# Altium PCB Intermediate_LCL_Revised_new.PcbDoc (part 2 of 3) (continued)
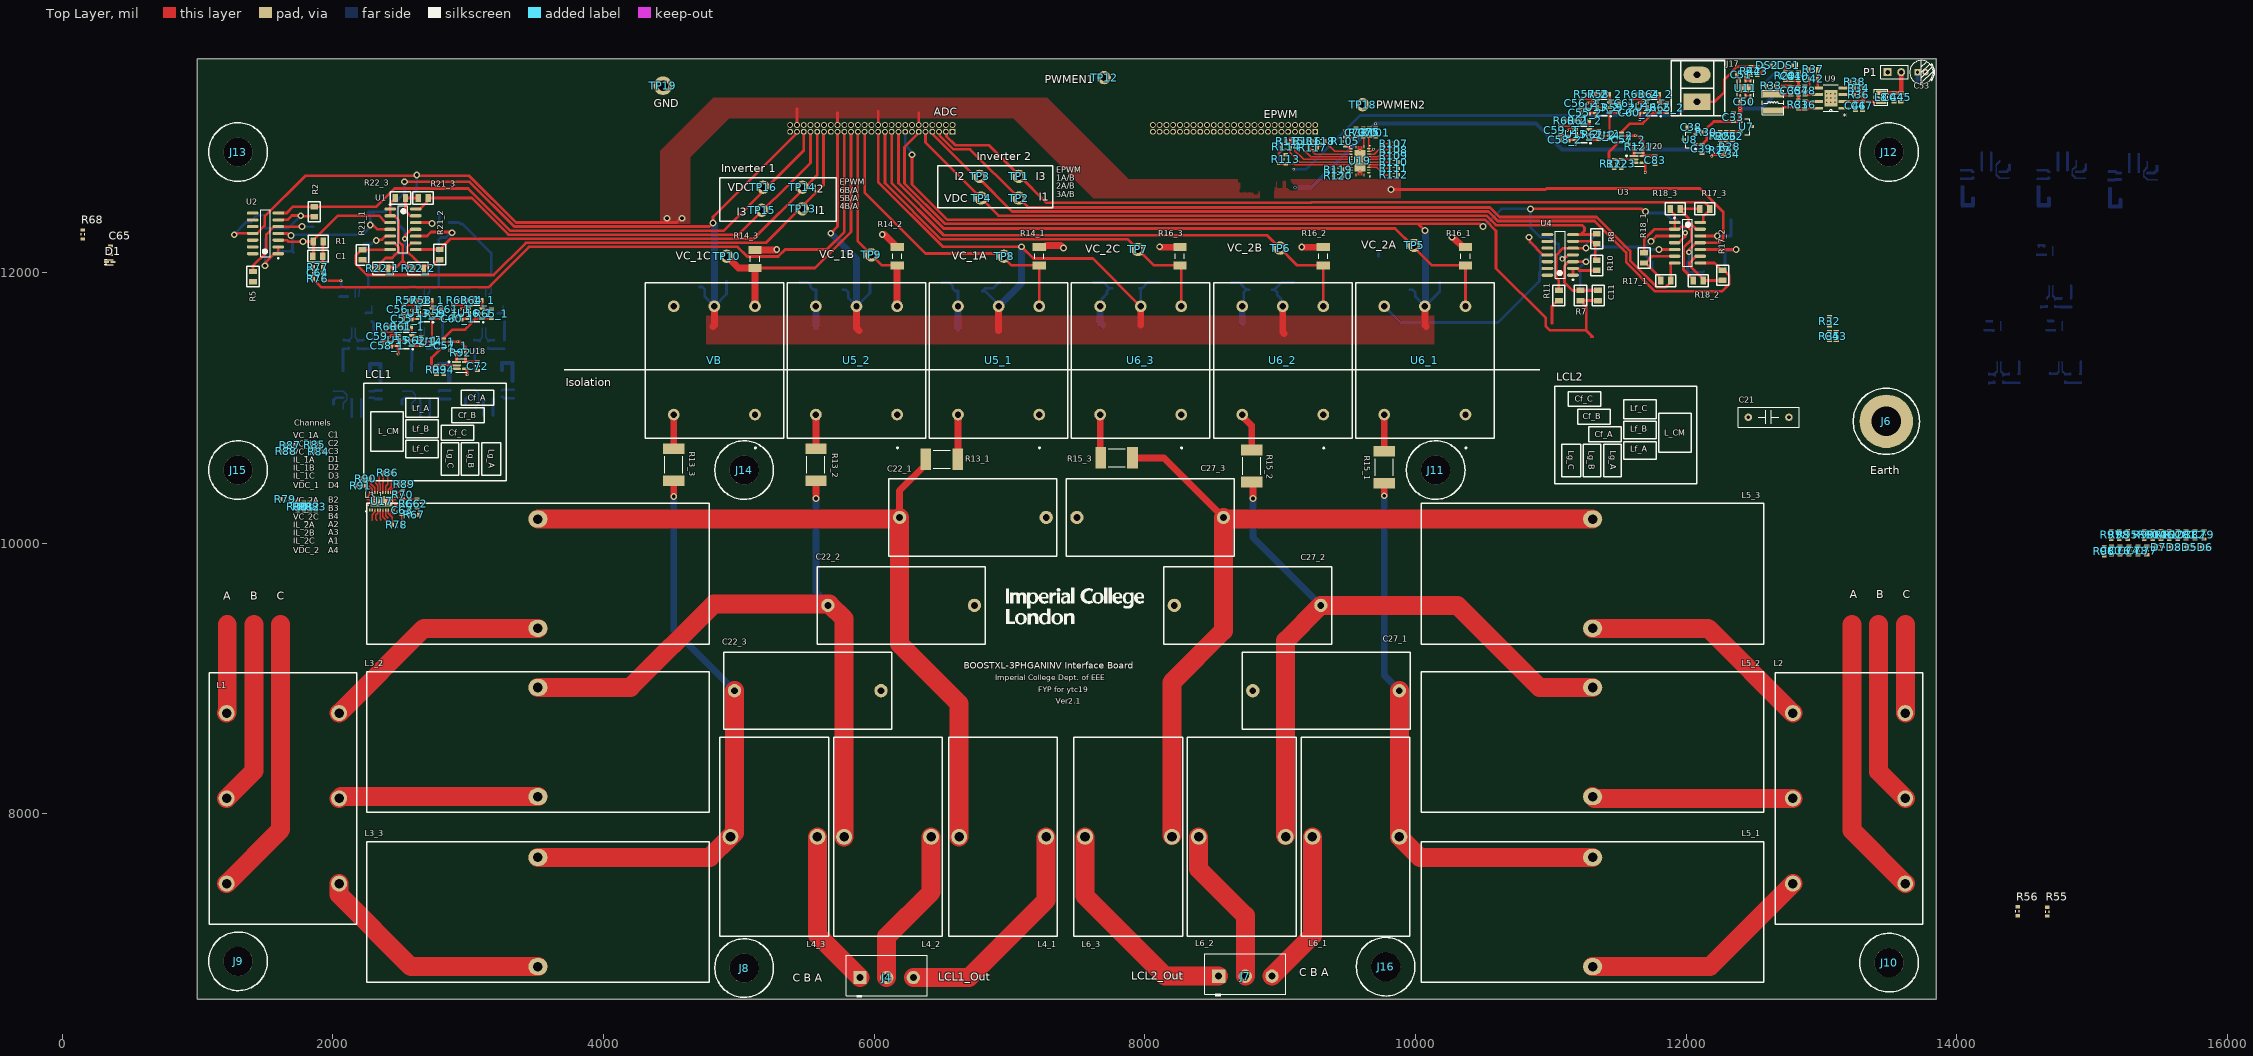
[diagram p0: Top Layer view]
## Nets (pads, with @x,y where several pads share a name; then routed paths per layer and width w, separated by ;. In a path a pad name is that pad's centre, name@x,y a point inside that pad or via, vN(x,y) a via of type N, cw(c..) or ccw(c..) an arc to the next point about the centre after c; other vN are vias at no path point) (continued)
  Bottom Layer w50: v1(4810,12365) 4820,12355 VB.3@4820,11750 ; v1(5680,12290) 5870,12100 U5_2.3@5870,11750 ; U5_1.3@6920,11750 7090,11920 v1(7090,12190) ; v1(10070,12310) 10074.21,12305.79 U6_1.3@10074.21,11754.21
-15V: C4.2 C5.2 C9.2 C10.2 C14.2 C15.2 C19.2 C20.2 C25_1.2 C25_2.2 C25_3.2 C26_1.2 C26_2.2 C26_3.2 C30_1.2 C30_2.2 C30_3.2 C31_1.2 C31_2.2 C31_3.2 J2.12 J2.24 J2.36 J2.48 U1.11 U2.11 U3.11 U4.11 U5_1.4 U5_2.4 U6_1.4 U6_2.4 U6_3.4 VB.4 | length 12302.5
  Top Layer w20: v1(1272.6,12278.86) 1280.72,12278.86 1290.72,12288.86 U2.11@1408.11,12288.86 1439.61,12288.86 1496.36,12345.61 1496.36,12414.61 1796.74,12715 3007.43,12715 3353.21,12369.21 4541.09,12369.21 4571.88,12400 v1(4580,12400) ; v3(2531.93,12250) 2537.67,12255.74 2537.67,12275.43 2579.92,12317.68 2611.42,12317.68 U1.11@2612.6,12318.86 ; J2.48@5430,13090 5430,13210 ; J2.36@5730,13090 5730,13180 ; J2.24@6030,13090 6030,13190 ; J2.12@6330,13090 6330,13180 ; v1(9820,12612.98) 10961.6,12612.98 10968.62,12620 12102.1,12620 12275,12447.1 12275,12251.36 12243.64,12220 U3.11@12104.49,12220 12103.31,12218.82 12071.81,12218.82 12025.01,12172.02 12025.01,12153.83 v3(12021.18,12150) ; v1(10840,12260) 10845.74,12254.26 10845.74,12228.28 10944.02,12130 U4.11@10975.51,12130 11006.03,12130 11007.7,12131.67 U4.11@11007.7,12135.71
  Top Layer w50: U6_2.4@8720,11750 U6_2.4@8720.43,11749.57
  Bottom Layer w20: v1(1272.6,12278.86) 1272.6,12285.35 1360.32,12373.07 C10.2@1380,12373.07 1399.68,12373.07 1419.21,12392.6 1419.21,12400.75 1441.06,12422.6 C9.2@1500,12422.6 ; C5.2@2452.6,12135.79 2455.08,12138.27 2560.12,12138.27 2562.6,12140.75 2553.74,12140.75 2543.66,12150.83 2543.66,12168.05 2543.66,12185 2533.66,12195 2533.66,12248.27 v3(2531.93,12250) 2531.93,12308.33 2475.52,12364.74 2475.52,12466.07 2620,12610.55 v1(2620,12720) ; C25_2.2@5450,11928.11 5508.94,11928.11 5530.79,11906.26 5530.79,11892.6 5550.31,11873.07 C26_2.2@5570,11873.07 U5_2.4@5570,11750 ; C25_1.2@6500,11928.11 6554.96,11928.11 6580.79,11902.28 6580.79,11882.6 6600.31,11863.07 C26_1.2@6620,11863.07 U5_1.4@6620,11750 ; C30_3.2@7620,11928.11 7695.28,11928.11 C31_3.2@7740.31,11883.07 ; U6_3.4@7670,11750 7682.75,11762.75 7682.75,11805.82 7720.79,11843.86 7720.79,11863.54 C31_3.2@7740.31,11883.07 ; C31_3.2@7760,11883.07 C31_3.2@7740.31,11883.07 ; C30_2.2@8640,11926.22 8698.94,11926.22 8730.79,11894.37 8730.79,11892.6 C31_2.2@8750.32,11873.07 ; U6_2.4@8720,11750 8730.79,11760.79 8730.79,11853.54 C31_2.2@8750.32,11873.07 ; C31_2.2@8770,11873.07 C31_2.2@8750.32,11873.07 ; 9726.93,12120.32 9726.93,12140 ; U6_1.4@9770,11750 9890,11630 10610,11630 10917.4,11937.4 C19.2@10917.4,12000 10922.17,12004.76 10922.17,12115.24 C20.2@10926.93,12120 10926.93,12139.68 10845.74,12220.87 10845.74,12254.26 v1(10840,12260) ; v3@12015.59,12155.59 12022.58,12148.6 12022.58,12090 12010,12077.42 C14.2@12010,11997.4 12014.76,12002.17 12125.24,12002.17 C15.2@12130,12006.93 ; v3(12021.18,12150) v3@12021.18,12155.41
  Bottom Layer w50: 5570,11600 U5_2.4@5570,11750 ; 6620,11590 U5_1.4@6620,11750 ; U6_3.4@7670,11750 7670,11630 7690,11610 ; 8720,11630 U6_2.4@8720,11750
  other v1: 4470,12400
C1_Neut: C22_1.1 C22_2.1 C22_3.1 U5_1.1 U5_2.1 VB.1
C2_Neut: C27_1.1 C27_2.1 C27_3.1 U6_1.1 U6_2.1 U6_3.1
CompRef: C34.1 R27.1 R28.2 U13_1.4 U13_2.4 U15_1.4 U15_2.4 U16_1.4 U16_2.4 | length 525.3
  Top Layer w20: v2(2416.76,11521.75) 2429,11533.99 2479.23,11533.99 U15_1.4@2480.14,11534.89 ; v2(2581.75,11721.75) 2593.08,11733.08 2628.33,11733.08 U13_1.4@2630.14,11734.89 ; v2(2942.51,11727.49) 2949,11733.99 2999.23,11733.99 U16_1.4@3000.14,11734.89 ; v2(11124,13049.71) 11130.49,13056.21 11180.72,13056.21 U15_2.4@11181.63,13057.11 ; v2(11272.19,13250.61) 11277.79,13256.21 11330.72,13256.21 U13_2.4@11331.63,13257.11 ; v2(11644,13249.71) 11650.49,13256.21 11700.72,13256.21 U16_2.4@11701.63,13257.11 ; v2(12190,12860) 12201.25,12871.25 R27.1@12250.7,12871.25 12251.01,12871.55 12287.78,12871.55 C34.1@12288.09,12871.86 R28.2@12288.09,12927.29
Earth: C21.2 J6.1
EPWM1A: J3.01 R118.2 U19.3 | length 248.8
  Top Layer w10: 9318.27,12981.73 9326.19,12981.73 9333,12974.92 R118.2@9333,12970 9333,12965.08 9403.98,12894.09 U19.3@9525.04,12894.09
EPWM1B: J3.03 R117.2 U19.4 | length 346.7
  Top Layer w10: R117.2@9208.23,12931.08 9206.45,12929.3 9206.45,12924.38 9213.26,12917.57 9218.18,12917.57 9261.34,12874.41 U19.4@9525.04,12874.41
EPWM2A: J3.05 R116.1 U19.5 | length 379.9
  Top Layer w10: 9168.97,12911.03 9225.86,12854.14 9371.75,12854.14 9372.33,12854.72 U19.5@9525.04,12854.72
EPWM2B: J3.07 R115.2 U19.6 | length 512.9
  Top Layer w10: R115.2@9109.57,12969.83 R115.2@9109.15,12969.4 9109.15,12900.85 9174.96,12835.04 U19.6@9525.04,12835.04 ; J3.07@9109.57,13039.57 J3.07@9110,13040
EPWM3A: J3.09 R114.2 U19.7 | length 585.6
  Top Layer w10: R114.2@9076.93,12927.35 9076.93,12883.07 9144.65,12815.35 U19.7@9525.04,12815.35
  Top Layer w20: R114.2@9076.96,12928.97 9076.96,12994.14
EPWM3B: J3.11 R113.2 U19.8 | length 734.2
  Top Layer w10: R113.2@9037.83,12803.76 9105.54,12803.76 9113.62,12795.67 U19.8@9525.04,12795.67
  Top Layer w20: v2(8988.82,12803.3) 8989.27,12803.76 R113.2@9037.83,12803.76
  Bottom Layer w20: v2(8988.82,12803.3) 8991.51,12805.99 8991.51,12970.48 v2(9004.38,12983.35) ; J3.11@9004.38,13034.38 J3.11@9010,13040
EPWM4A: J3.13 R89.2 U17.3 | length 109.1
  Top Layer w10: U17.3@2428.9,10374.45 2429.17,10374.72 2429.17,10389.17 2452.94,10412.94 2471.68,10412.94 2482.88,10424.14 2487.8,10424.14 2494.61,10430.95 R89.2@2494.61,10435.87 R89.2@2494.61,10440.79 ; J3.13@8958.82,13038.82 J3.13@8960,13040
EPWM4B: J3.15 R88.2 U17.4 | length 90.5
  Top Layer w10: U17.4@2409.21,10374.45 2409.21,10394.72 2431.9,10417.4 2431.9,10444.82 2432.08,10445 ; J3.15@8908.87,13038.87 J3.15@8910,13040
  Bottom Layer w10: J3.15@8910,13031.09 J3.15@8910,13040
EPWM5A: J3.17 R87.1 U17.5 | length 133
  Top Layer w10: U17.5@2389.53,10374.45 2389.53,10419.53 2404.9,10434.9 2404.9,10495
  Top Layer w20: J3.17@8860,13040 J3.17@8862.91,13037.09
  Bottom Layer w10: J3.17@8860,13040 J3.17@8861.41,13038.59
EPWM5B: J3.19 R86.2 U17.6 | length 155.6
  Top Layer w10: U17.6@2369.84,10374.45 2370.12,10374.72 2370.12,10445.09 2371.93,10446.9 2373.84,10448.81 R86.2@2373.84,10519.77 ; R86.2@2373.92,10519.77 R86.2@2380,10525.85
EPWM6A: J3.21 R85.2 U17.7 | length 133
  Top Layer w10: 2342.23,10495 2342.23,10444.56 2341.86,10444.19 2350.16,10435.89 U17.7@2350.16,10374.45
  Top Layer w20: J3.21@8760,13040 J3.21@8761.91,13038.09
  Bottom Layer w20: J3.21@8755.62,13035.62 J3.21@8760,13040
EPWM6B: J3.23 R84.2 U17.8 | length 84.4
  Top Layer w10: 2311.79,10445 2313.68,10445 2330.47,10428.21 U17.8@2330.47,10374.45
  Bottom Layer w10: J3.23@8710,13040 J3.23@8713.51,13036.49
GND: C2.1 C3.1 C4.1 C5.1 C6.1 C7.1 C8.1 C9.1 C10.1 C12.1 C13.1 C14.1 C15.1 C16.1 C17.1 C18.1 C19.1 C20.1 C21.1 C23_1.1 C23_2.1 C23_3.1 C24_1.1 C24_2.1 C24_3.1 C25_1.1 C25_2.1 C25_3.1 C26_1.1 C26_2.1 C26_3.1 C28_1.1 C28_2.1 C28_3.1 C29_1.1 C29_2.1 C29_3.1 C30_1.1 C30_2.1 C30_3.1 C31_1.1 C31_2.1 C31_3.1 C32.2 C33.2 C34.2 C38.2 C39.2 C40.1 C41.1 C43.2 C44.2 C45.2 C46.2 C47.1 C48.1 C50.1 C51.1 C55_1.2 C55_2.2 C56_1.2 C56_2.2 C57_1.2 C57_2.2 C58_1.2 C58_2.2 C59_1.2 C59_2.2 C60_1.2 C60_2.2 C61_1.2 C61_2.2 C62.2 C63.2 C64.2 C65.2 C66.2 C67.2 C68.2 C69.2 C70.2 C71.2 C72.2 C73.2 C74.2 C75.2 C76.2 C77.2 C78.2 C79.2 C80.2 C81.2 C82.2 C83.2 C88_1.1 C88_2.1 C90_1.2 C90_2.2 C91_1.2 C91_2.2 C96_1.1 C96_2.1 C98_1.2 C98_2.2 C99_1.2 C99_2.2 C104_1.1 C104_2.1 C106_1.2 C106_2.2 C107_1.2 C107_2.2 C108_1.2 C108_2.2 C110_1.2 C110_2.2 C111_1.1 C111_2.1 C112_1.2 C112_2.2 C114_1.2 C114_2.2 C115_1.1 C115_2.1 C116_1.2 C116_2.2 C118_1.2 C118_2.2 C119_1.1 C119_2.1 DS1.2 DS2.2 J2.01 J2.02 J2.04 J2.06 J2.08 J2.10 J2.13 J2.14 J2.16 J2.18 J2.20 J2.22 J2.25 J2.26 J2.28 J2.30 J2.32 J2.34 J2.37 J2.38 J2.40 J2.42 J2.44 J2.46 J2.49 J2.50 J3.02 J3.04 J3.06 J3.08 J3.10 J3.12 J3.14 J3.16 J3.18 J3.20 J3.22 J3.24 J3.26 J3.28 J3.30 J3.32 J3.34 J3.36 J3.38 J3.40 R3.1 R6.2 R9.1 R12.2 R14_1.1 R14_2.1 R14_3.1 R16_1.1 R16_2.1 R16_3.1 R20_1.1 R20_2.1 R20_3.1 R24_1.1 R24_2.1 R24_3.1 R28.1 R35.1 R37.1 R38.1 R55.1 R56.1 R78.2 R79.2 R80.2 R81.2 R82.2 R83.2 R84.1 R85.1 R86.1 R87.2 R88.1 R89.1 R90.2 R91.2 R94.1 R107.2 R108.2 R109.2 R110.2 R111.2 R112.2 R113.1 R114.1 R115.1 R116.2 R117.1 R118.1 R119.2 R120.2 R123.1 R137_1.1 R137_2.1 R143_1.1 R143_2.1 R149_1.1 R149_2.1 TP19.1 U7.3 U8.3 U9.1 U9.9 U11.2 U11.3 U11.6 U13_1.2 U13_2.2 U14_1.2 U14_2.2 U15_1.2 U15_2.2 U16_1.2 U16_2.2 U17.11 U17.12 U17.13 U17.25 U18.3 U19.11 U19.12 U19.13 U19.25 U20.3 U21_1.7 U21_2.7 U22_1.7 U22_2.7 U23_1.7 U23_2.7 U24_1.1 U24_1.4 U24_1.6 U24_2.1 U24_2.4 U24_2.6 U25_1.1 U25_1.4 U25_1.6 U25_2.1 U25_2.4 U25_2.6 U26_1.1 U26_1.4 U26_1.6 U26_2.1 U26_2.4 U26_2.6 | length 4742.9
  Top Layer w10: R91.2@2173.97,10425.73 2180.78,10432.54 2180.78,10439.68 2211.26,10470.16 R90.2@2211.26,10475.08 ; U17.12@2255.67,10339.02 2262.2,10339.02 2262.48,10339.29 2262.48,10345.83 2271.1,10354.45 U17.11@2271.1,10374.45 ; C59_1.2@2372.51,11496 2373.25,11496.75 2581.76,11496.75 U15_1.2@2582.51,11497.49 2666.94,11497.49 2676.72,11487.72 U14_1.2@2733.81,11487.72 ; R78.2@2504.7,10134.8 2504.7,10139.73 2508.96,10143.99 2508.96,10174.01 2510.88,10175.92 2510.88,10210.68 C63.2@2511.81,10211.62 ; C55_1.2@2521.01,11657.49 2521.01,11694.5 C56_1.2@2522.51,11696 2523.25,11696.75 2731.76,11696.75 U13_1.2@2732.51,11697.49 ; C61_1.2@2892.51,11696 2893.25,11696.75 3101.76,11696.75 U16_1.2@3102.51,11697.49 ; R113.1@9035.08,12873 R113.1@9040,12873 ; R113.1@9042.71,12870.18 9035.08,12870.18 8996.3,12870.18 8990.61,12875.87 8990.61,12880.79 8997.42,12887.61 9002.34,12887.61 9010.93,12896.19 R114.1@9010.93,12927.35 9010.93,12932.27 9017.74,12939.08 9043.15,12964.48 R115.1@9043.15,12969.4 ; R116.2@9235.78,12970.05 9266.95,12970.05 R118.1@9267,12970 9267,12965.08 9276.06,12956.02 R117.1@9276.06,12923.47 9276.06,12926.92 9282.87,12933.73 9311.78,12933.73 v2(9313.05,12935) ; C59_2.2@11074,13018.21 11074.74,13018.96 11283.25,13018.96 U15_2.2@11284,13019.71 11368.43,13019.71 11378.21,13009.93 U14_2.2@11435.3,13009.93 ; C55_2.2@11222.5,13179.71 11222.5,13216.72 C56_2.2@11224,13218.21 11224.74,13218.96 11433.25,13218.96 U13_2.2@11434,13219.71 ; C61_2.2@11594,13218.21 11594.74,13218.96 11803.25,13218.96 U16_2.2@11804,13219.71 ; C51.1@12375,13460 12381.81,13453.19 12381.81,13440.6 12400.57,13421.83 U11.6@12400.57,13416.91 12401.64,13415.85 12401.64,13388.29 12428.13,13361.79 12437.98,13361.79 U11.2@12437.98,13306.67 U11.3@12475.38,13306.67 12475.38,13279.28 12462.99,13266.89 C50.1@12462.99,13260
  Top Layer w50: R14_3.1@5120,12166.93 5276.93,12166.93 v1(5280,12170) ; v1(6060,12280) 6076.93,12280 R14_2.1@6170,12186.93 ; R14_1.1@7220,12186.93 7224.53,12191.46 7264.75,12191.46 7273.5,12200.21 7379.79,12200.21 v1(7400,12180) ; v1(8110,12190) 8113.07,12186.93 R16_3.1@8260,12186.93 ; v1(9159.39,12187.74) 9160.2,12186.93 R16_2.1@9320,12186.93 ; v1(10270,12260) 10277.24,12260 10350.32,12186.93 R16_1.1@10370,12186.93
  Bottom Layer w10: C104_1.1@2005.15,11124.74 2006.26,11123.63 2073.66,11123.63 U23_1.7@2074.76,11122.53 2078.7,11122.53 2103.54,11097.69 2103.54,11060.37 2076.69,11033.52 C107_1.2@2076.69,10990 ; C88_1.1@2513.16,11123.63 2580.56,11123.63 U21_1.7@2581.67,11122.53 2585.6,11122.53 2610.45,11097.69 2610.45,11060.37 2583.6,11033.52 C91_1.2@2583.6,10990 ; 2952.06,11114.74 2953.16,11113.63 ; C96_1.1@2980,11131.42 2981.1,11130.32 3052.44,11130.32 3078.39,11104.37 3078.39,11030.42 3051.54,11003.57 C99_1.2@3051.54,10996.68 ; C99_2.2@14318.46,12830.24 14318.46,12823.35 14291.61,12796.5 14291.61,12722.55 14317.56,12696.61 14388.9,12696.61 C96_2.1@14390,12695.5 ; C91_2.2@14881.56,12830.24 14881.56,12786.72 14854.71,12759.87 14854.71,12722.55 14879.55,12697.71 U21_2.7@14883.49,12697.71 14884.59,12696.61 14951.99,12696.61 C88_2.1@14953.09,12695.5 ; C107_2.2@15408.46,12820.24 15408.46,12776.72 15381.61,12749.87 15381.61,12712.55 15406.46,12687.71 U23_2.7@15410.39,12687.71 15411.5,12686.61 15478.9,12686.61 C104_2.1@15480,12685.5
  Bottom Layer w20: J3.40@8305.62,13094.38 J3.40@8310,13090
I_InA_1: C67.1 R23_1.1 R73.2 | length 131.6
  Bottom Layer w20: R23_1.1@2262.6,12021.46 2262.8,12021.26 2262.8,11890.2 R73.2@2263,11890
I_InA_2: C71.1 R23_2.1 R74.2 | length 181.6
  Bottom Layer w20: R23_2.1@2782.6,12071.46 2782.8,12071.26 2782.8,11890.2 R74.2@2783,11890
I_InA_3: C68.1 R23_3.1 R75.2 | length 575
  Bottom Layer w20: R23_3.1@2860,12368.86 2932.76,12368.86 2943.11,12358.5 C68.1@2950,12358.5 2956.89,12358.5 3170,12145.39 R75.2@3170,11973
I_InB_1: C78.1 R19_1.1 R99.2
I_InB_2: C82.1 R19_2.1 R102.2
I_InB_3: C79.1 R19_3.1 R103.2
I_NegA_1: R21_1.1 R22_1.2 U1.6 | length 485.2
  Top Layer w20: R21_1.1@2220,12092.6 2228.86,12092.6 2281.46,12040 R22_1.2@2325.2,12040 ; R22_1.2@2325.2,12041.46 2391.05,12107.31 2438.56,12107.31 2486.93,12155.68 2486.93,12187.05 2455.12,12218.86 U1.6@2423.62,12218.86 U1.6@2391.15,12218.86 ; R22_1.2@2332.6,12021.14 R22_1.2@2332.6,12030
I_NegA_2: R21_2.1 R22_2.2 U1.9 | length 424.7
  Top Layer w20: U1.9@2612.7,12218.75 U1.9@2612.6,12218.86 2581.1,12218.86 2549.29,12187.05 2549.29,12155.68 2602.66,12102.31 2603.95,12102.31 2667.4,12038.86 R22_2.2@2667.4,12030 ; R22_2.2@2667.4,12050 2735.95,12050 2781.14,12095.2 R21_2.1@2790,12095.2
I_NegA_3: R21_3.1 R22_3.2 U1.13 | length 261.8
  Top Layer w20: U1.13@2612.6,12418.86 2611.91,12419.55 2570.45,12419.55 2537.4,12452.6 R22_3.2@2537.4,12550 R21_3.1@2612.6,12550
I_NegB_1: R17_1.1 R18_1.2 U3.6 | length 423.3
  Top Layer w20: R18_1.2@11690,12070 R18_1.2@11698.86,12070 ; R17_1.1@11812.6,11940 11802.52,11950.08 11802.52,11966.34 R18_1.2@11698.86,12070 ; U3.6@11915.51,12120 11748.86,12120 R18_1.2@11698.86,12070
I_NegB_2: R17_2.1 R18_2.2 U3.9 | length 417
  Top Layer w20: U3.9@12104.49,12120 12073.64,12120 12025.11,12071.47 12025.11,12051.15 12127.4,11948.86 R18_2.2@12127.4,11940 12128.7,11941.3 12268.7,11941.3 R17_2.1@12270,11942.6
I_NegB_3: R17_3.1 R18_3.2 U3.13 | length 377.2
  Top Layer w20: R17_3.1@12103.7,12466.3 R17_3.1@12100,12470 R18_3.2@11957.4,12470 11957.4,12461.14 12019.89,12398.65 12019.89,12373.1 12072.99,12320 U3.13@12104.49,12320
I_OutA_1: J2.39 R21_1.2 TP13.1 U1.7 | length 4525.8
  Top Layer w20: U1.7@2391.15,12168.86 U1.7@2423.62,12168.86 2422.93,12168.17 2391.15,12168.17 2220.76,12168.17 R21_1.2@2220,12167.4 2211.14,12167.4 2171.06,12127.32 2171.06,12064.24 2254.24,11981.06 3188.64,11981.06 3426.79,12219.21 5199.21,12219.21 5465,12485 5625.62,12645.62 5625.62,13035.62 J2.39@5630,13040
I_OutA_2: J2.41 R21_2.2 TP14.1 U1.8 | length 3515.5
  Top Layer w20: U1.8@2612.6,12168.86 U1.8@2645.07,12168.86 ; U1.8@2645.07,12169.43 2789.43,12169.43 R21_2.2@2790,12170 2869.21,12249.21 5109.21,12249.21 5500,12640 5580,12720 J2.41@5580,13040
I_OutA_3: J2.43 R21_3.2 TP15.1 U1.14 | length 3525
  Top Layer w20: U1.14@2612.6,12468.86 2644.09,12468.86 2694.72,12519.49 2694.72,12539.92 R21_3.2@2704.8,12550 3027.57,12550 3298.36,12279.21 4999.21,12279.21 5530,12810 J2.43@5530,13040
I_OutB_1: J2.05 R17_1.2 TP2.1 U3.7 | length 6121.1
  Top Layer w20: J2.05@6480,13040 6484.38,13035.62 6484.38,13013.19 6587.57,12910 6710,12910 TP2.1@7070,12550 7140,12480 10550.92,12480 10620.92,12410 11337.13,12410 11586.94,12160.19 11586.94,12088.36 11784.24,11891.06 11847.32,11891.06 11887.4,11931.14 11887.4,12068.33 11889.07,12070 U3.7@11915.51,12070
I_OutB_2: J2.07 R17_2.2 TP3.1 U3.8 | length 6771.9
  Top Layer w20: J2.07@6430,13040 6434.38,13035.62 6434.38,13020.76 6730.14,12725.01 6754.99,12725.01 6770,12710 TP3.1@6780,12710 ; TP3.1@6770,12700 7020,12450 10538.49,12450 10608.49,12380 11324.7,12380 11556.94,12147.76 11556.94,12075.93 11771.81,11861.06 12265.76,11861.06 12318.94,11914.24 12318.94,11977.32 12278.86,12017.4 R17_2.2@12270,12017.4 12261.14,12017.4 12208.54,12070 U3.8@12104.49,12070
I_OutB_3: J2.03 R17_3.2 TP1.1 U3.14 | length 6047.7
  Top Layer w20: J2.03@6530,13040 6534.38,13035.62 6534.38,13005.62 6600,12940 6850,12940 7075,12715 7275,12515 9227.65,12515 9231.59,12518.94 12134.72,12518.94 12174.8,12478.86 12174.8,12461.14 12125.98,12412.32 12125.98,12371.67 12124.31,12370 U3.14@12104.49,12370
I_PosA_1: R23_1.2 R24_1.2 U1.5 | length 358.9
  Top Layer w20: v1(2321.48,12236.38) 2327.22,12242.12 2364.41,12242.12 2391.15,12268.86 U1.5@2423.62,12268.86
  Bottom Layer w20: R23_1.2@2261.3,12097.56 R23_1.2@2262.6,12096.26 2262.6,12165.94 2227.4,12201.14 R24_1.2@2227.4,12210 2286.99,12210 2313.37,12236.38 v1(2321.48,12236.38) v1@2315.74,12230.64
I_PosA_2: R23_2.2 R24_2.2 U1.10 | length 497.7
  Top Layer w20: U1.10@2612.6,12268.86 2696.96,12268.86 2726.96,12298.86 2875.35,12298.86 v1(2880,12294.21)
  Bottom Layer w20: R23_2.2@2782.6,12146.26 2783.9,12147.56 2783.9,12245.35 2797.4,12258.86 2837.57,12258.86 2872.93,12294.21 v1(2880,12294.21)
I_PosA_3: R23_3.2 R24_3.2 U1.12 | length 264.5
  Top Layer w20: U1.12@2612.6,12368.86 2716.75,12368.86 2724.21,12361.4 v1(2732.33,12361.4)
  Bottom Layer w20: v1(2732.33,12361.4) 2736.06,12365.13 2781.47,12365.13 R23_3.2@2785.2,12368.86 2787.6,12371.26 2787.6,12450.2 R24_3.2@2790,12452.6
I_PosB_1: R19_1.2 R20_1.2 U3.5 | length 380.1
  Top Layer w20: v1(11800,12170) U3.5@11915.51,12170
  Bottom Layer w20: R19_1.2@11750,12017.4 11750,12078.54 11697.4,12131.14 R20_1.2@11697.4,12140 11697.4,12148.86 11707.48,12158.94 11716.34,12158.94 11727.4,12170 v1(11800,12170)
I_PosB_2: R19_2.2 R20_2.2 U3.10 | length 514.3
  Top Layer w20: U3.10@12104.49,12170 v1(12370,12170)
  Bottom Layer w20: R19_2.2@12270,12017.4 12277.32,12017.4 12287.4,12027.48 R20_2.2@12287.4,12160 ; R20_2.2@12279.47,12160 12351.88,12160 12361.88,12170 v1(12370,12170)
I_PosB_3: R19_3.2 R20_3.2 U3.12 | length 348.1
  Top Layer w20: U3.12@12104.49,12270 v1(12230,12270)
  Bottom Layer w20: v1(12230,12270) R19_3.2@12332.6,12270 R20_3.2@12332.6,12390
IA1: R57_1.2 R73.1 U24_1.8 | length 72.3
  Bottom Layer w10: U24_1.8@2191.39,11820 2191.39,11840.5 2197,11846.11 R73.1@2197,11890
IA2: R57_2.2 R99.1 U24_2.8
IB1: R60_1.2 R74.1 U25_1.8 | length 76.5
  Bottom Layer w10: U25_1.8@2701.39,11820 2701.39,11840.5 2717,11856.11 R74.1@2717,11890
IB2: R60_2.2 R102.1 U25_2.8
IC1: R63_1.2 R75.1 U26_1.8 | length 92.5
  Bottom Layer w10: U26_1.8@3156.71,11820 3156.71,11838.5 3170,11851.79 R75.1@3170,11907
IC2: R63_2.2 R103.1 U26_2.8
IComp1: R93.1 U14_1.4 | length 268.6
  Top Layer w20: R93.1@2766.43,11246.91 2761.51,11246.91 2729.69,11278.72 2729.69,11369.11 U14_1.4@2820.42,11459.84
IComp2: R122.1 U14_2.4 | length 268.6
  Top Layer w20: R122.1@11467.92,12769.12 11463,12769.12 11431.18,12800.94 11431.18,12891.33 U14_2.4@11521.91,12982.06
nEnable1: U17.22 U18.4 | length 100.5
  Top Layer w10: U17.22@2429.88,10244.53 2429.88,10225.91 2442.42,10213.37 2456.98,10213.37 2457.38,10212.98 ; U18.4@2985.98,11287.98 2989.48,11287.98 U18.4@2992.42,11285.04
  Top Layer w20: v2(2992.42,11243.72) U18.4@2992.42,11285.04
nEnable2: U19.22 U20.4 | length 2179.5
  Top Layer w10: U19.22@9665.77,12895.39 9672.69,12895.39 9687.29,12910 v2(9690,12910)
  Top Layer w20: v2(11698.64,12738.72) U20.4@11698.64,12808.38
  Lay1 w10: v2(9690,12910) 10214.64,12910 10300.28,12824.36 11613,12824.36 v2(11698.64,12738.72)
NetC1_1: C1.1 C6.2 R1.1 R3.2 U1.3 U2.3 | length 1189.4
  Top Layer w20: U2.3@1597.09,12238.86 1597.78,12238.17 1660.93,12238.17 1671.72,12227.38 1757.68,12227.38 1759.16,12228.86 v1(1778.93,12228.86) R1.1@1855.2,12228.86 1857.95,12226.1 1857.95,12141.61 C1.1@1860.71,12138.86 ; R1.1@1855.2,12237.72 2037.48,12420 2340.98,12420 2390.94,12370.04 2422.44,12370.04 U1.3@2423.62,12368.86
  Bottom Layer w20: v1(1778.93,12228.86) R3.2@1855.2,12228.86 1857.95,12226.1 1857.95,12141.61 C6.2@1860.71,12138.86
NetC11_1: C11.1 C16.2 R7.1 R9.2 U3.3 U4.3 | length 1654.8
  Top Layer w20: v1(11260,12080) U4.3@11164.49,12080 11132.99,12080 11101.18,12048.19 11101.18,11927.28 11161.06,11867.4 R7.1@11220,11867.4 C11.1@11350,11867.4 ; v1(11740,12230) 11780,12270 U3.3@11915.51,12270
  Bottom Layer w20: R9.2@11347.16,11877.4 11345.86,11876.1 11218.46,11876.1 C16.2@11217.16,11874.8 11217.16,12037.16 v1(11260,12080) 11368.94,12188.94 11698.94,12188.94 v1(11740,12230)
NetC22_1_2: C22_1.2 L3_1.2 L4_1.1 R13_1.1 | length 5730.4
  Top Layer w50: C22_1.2@6188.66,10190 6188.66,10387.4 6381.89,10580.63 R13_1.1@6381.89,10620
  Top Layer w140: L3_1.2@3515.71,10177.54 6176.2,10177.54 C22_1.2@6188.66,10190 6188.66,9254.37 6628.74,8814.29 L4_1.1@6628.74,7830
NetC22_2_2: C22_2.2 L3_2.2 L4_2.1 R13_2.1 | length 5131.6
  Top Layer w50: v1(5570,10330) R13_2.1@5570,10461.89
  Top Layer w140: L3_2.2@3515.71,8934.39 4199.38,8934.39 4814.99,9550 C22_2.2@5658.66,9550 ; C22_2.2@5670,9550 5778.74,9441.26 L4_2.1@5778.74,7830
  Bottom Layer w50: v1@5570,10350 5570,9638.66 C22_2.2@5658.66,9550
NetC22_3_2: C22_3.2 L3_3.2 L4_3.1 R13_3.1 | length 4320.8
  Top Layer w50: v1(4520,10345.35) R13_3.1@4520,10461.89
  Top Layer w140: L3_3.2@3515.71,7677.93 4786.67,7677.93 L4_3.1@4938.74,7830 4968.66,7859.92 C22_3.2@4968.66,8910
  Bottom Layer w50: v1@4520,10350 4520,9358.66 C22_3.2@4968.66,8910
NetC27_1_2: C27_1.2 L5_1.2 L6_1.1 R15_1.1 | length 4149.9
  Top Layer w50: v1(9770,10350) R15_1.1@9770,10441.89
  Top Layer w140: C27_1.2@9881.34,8910 9881.26,8909.92 L6_1.1@9881.26,7830 10033.72,7677.54 L5_1.2@11310,7677.54
  Bottom Layer w50: v1(9770,10350) 9770,9021.34 C27_1.2@9881.34,8910
NetC27_2_2: C27_2.2 L5_2.2 L6_2.1 R15_2.1 | length 5191.3
  Top Layer w50: R15_2.1@8790,10451.89 8800,10441.89 v1(8800,10330)
  Top Layer w140: L6_2.1@9041.26,7840 9041.26,9279.92 C27_2.2@9301.34,9540 10310,9540 10916.46,8933.54 L5_2.2@11310,8933.54
  Bottom Layer w50: v1(8800,10330) 8800,10041.34 C27_2.2@9301.34,9540
NetC27_3_2: C27_3.2 L5_3.2 L6_3.1 R15_3.1 | length 6094.8
  Top Layer w50: R15_3.1@7910,10630 8141.34,10630 C27_3.2@8581.34,10190
  Top Layer w140: L6_3.1@8201.26,7840 8201.26,8971.26 8581.34,9351.34 C27_3.2@8581.34,10190 8593.8,10177.54 L5_3.2@11310,10177.54
NetC32_1: C32.1 R26.1 U7.2 | length 105.1
  Top Layer w20: R26.1@12295.55,13040.01 12295.73,13040.19 12400.33,13040.19 U7.2@12400.51,13040.36
NetC35_1: C35.1 L7.2 | length 134.4
  Top Layer w20: L7.2@12647.5,13324.21 12659.16,13312.56 12721.19,13312.56 12722.06,13311.69 C35.1@12776.68,13311.69
NetC36_1: C36.1 U9.7 | length 96.1
  Top Layer w20: C36.1@12880,13271.5 12886.89,13271.5 12894.39,13264 U9.7@12973,13264
NetC36_2: C36.2 L7.1 R31.2 U9.8 | length 348.1
  Top Layer w20: L7.1@12642.82,13196.03 12694,13196.03 12705.66,13207.69 12705.66,13208.28 12717.37,13220 12812.98,13220 12825.23,13207.75 R31.2@12830.15,13207.75 12830.53,13208.13 12879.62,13208.13 C36.2@12880,13208.5 12886.89,13208.5 12892.39,13214 U9.8@12973,13214
NetC37_2: C37.2 C42.2 R31.1 | length 221
  Top Layer w10: C37.2@12830.62,13311.69 12837.51,13311.69 12844.32,13318.5 12844.32,13328.38 12859.97,13344.03 12900.43,13344.03 12913.9,13357.5 12913.9,13393.55 12909.36,13398.08 C42.2@12909.36,13430.43
  Top Layer w20: R31.1@12830.15,13273.75 12830.39,13273.99 12830.39,13311.45 C37.2@12830.62,13311.69
NetC38_1: C38.1 R30.1 U8.2 | length 124.8
  Top Layer w20: C38.1@12070.82,13072.19 C38.1@12070.82,13065.3 ; U8.2@12074.89,13019.64 12071.65,13019.64 12070.82,13020.46 C38.1@12070.82,13065.3 ; R30.1@12115.91,13031.06 12117.72,13032.87 R30.1@12117.72,13037.79 12117.72,13042.71 12096.95,13063.49 12072.63,13063.49 C38.1@12070.82,13065.3
NetC42_1: C42.1 R33.1 R37.2 U9.5 | length 617.1
  Top Layer w20: v2(12560,13380) 12560.46,13379.54 R33.1@12595.6,13379.54 ; C42.1@12972.36,13430.43 12972.36,13364.5 12972.86,13364 U9.5@12973,13364
  Top Layer w25: C42.1@12972.36,13430.43 R37.2@12972.36,13497.64
  Bottom Layer w20: v2(12560,13380) 12650,13470 v2(12970,13470)
NetC46_1: C46.1 C47.2 L8.2 R34.1 R36.1 U9.2 | length 376.6
  Top Layer w20: U9.2@13167,13264 13293.79,13264 13296.01,13261.77 C47.2@13302.9,13261.77 13303.35,13262.22 C47.2@13307.75,13262.22 ; R34.1@13309.11,13361.79 13307.3,13359.98 13307.3,13262.67 C47.2@13307.75,13262.22 ; L8.2@13441.76,13262.67 13441.31,13262.22 C47.2@13307.75,13262.22
NetC48_2: C48.2 U9.6 | length 93.4
  Top Layer w20: C48.2@12880.2,13312.53 12881.17,13313.5 12972.5,13313.5 U9.6@12973,13314
NetC51_2: C51.2 R42.1 U11.4 U11.5 | length 122.2
  Top Layer w20: U11.4@12475.38,13416.91 U11.5@12437.98,13416.91 C51.2@12437.99,13460 12437.99,13458.82 12439.8,13457.01 12475.24,13457.01 R42.1@12477.05,13455.2
NetC56_1_1: C56_1.1 R57_1.1 R58_1.2 | length 162.2
  Top Layer w10: C56_1.1@2522.51,11758.99 2593.18,11758.99 2625.51,11791.32 R57_1.1@2625.51,11796.24
  Top Layer w20: R57_1.1@2625.51,11796.24 R58_1.2@2666.4,11796.24